# Altium PCB LASERDIODE.PcbDoc (part 1 of 3) (continued)
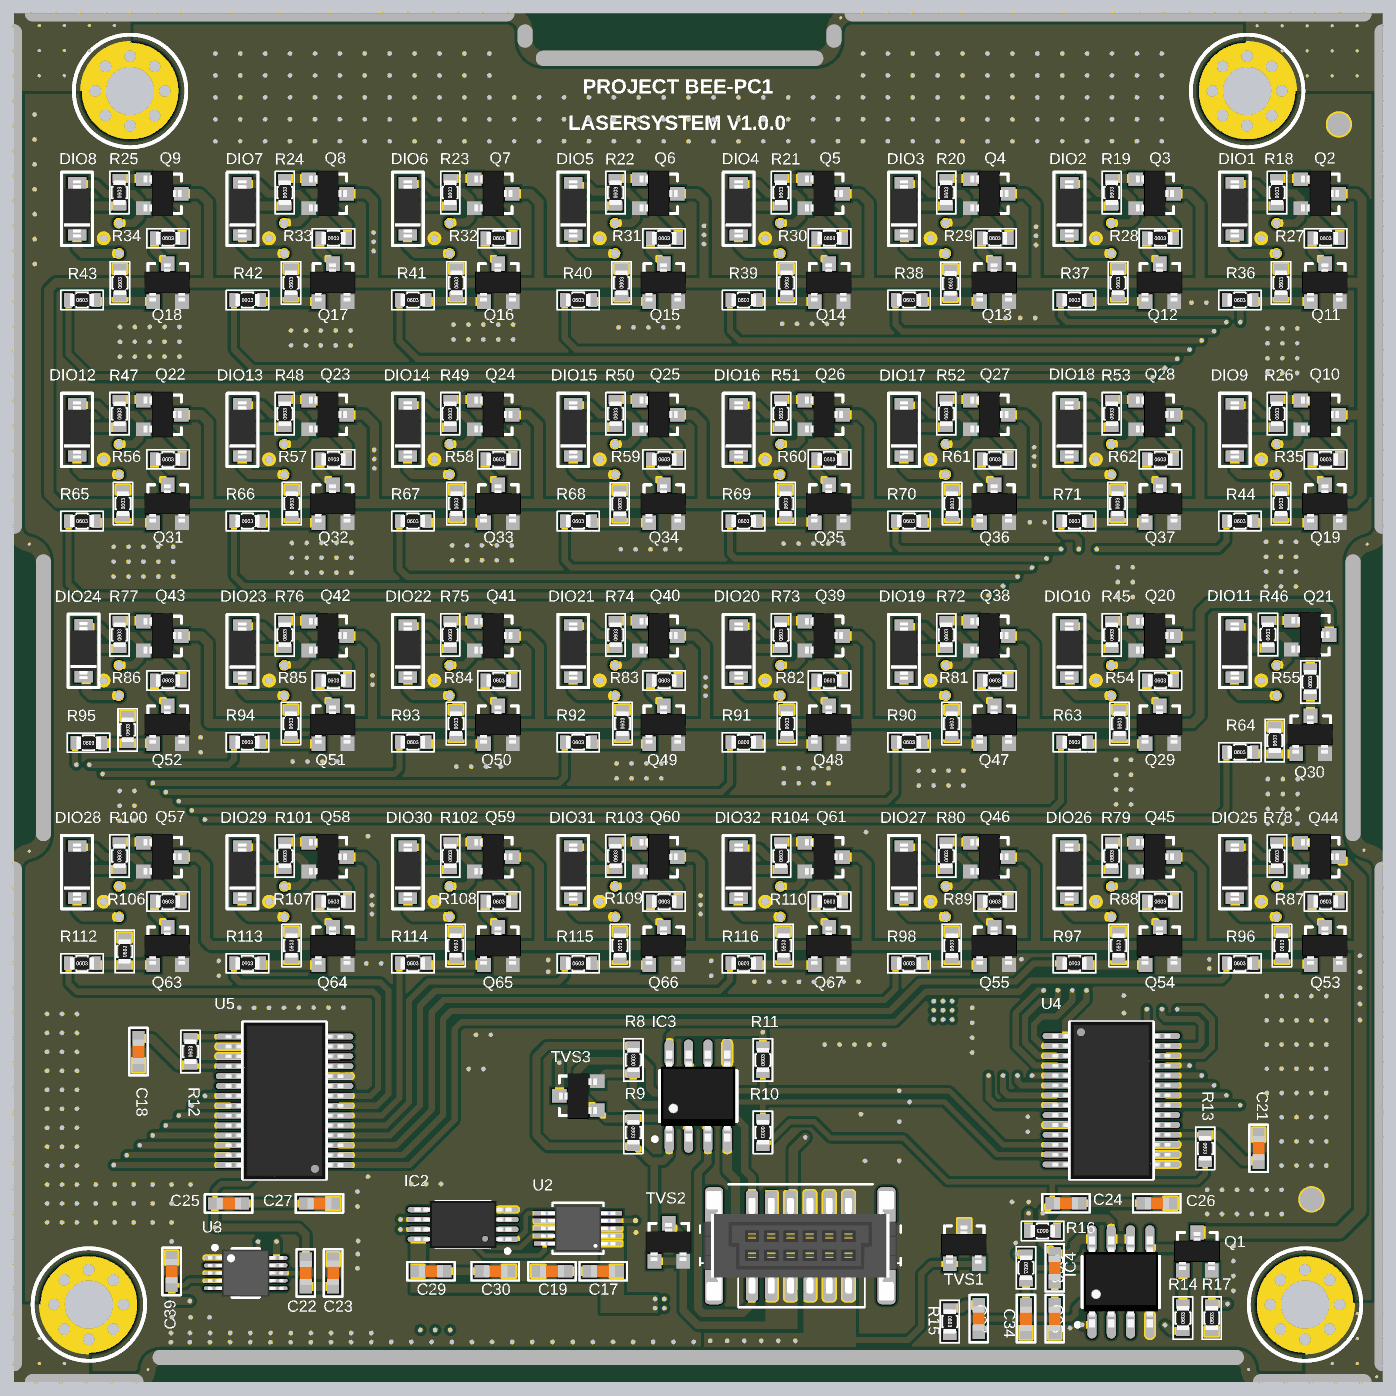
[diagram p7: 3D render of the assembled board from below, using the file's embedded part models]

## Layer stack, top to bottom
Top Solder: solder mask 0.012, Solder Resist, Dk 3.5
Top Layer: signal copper 0.04
Dielectric 2: prepreg 0.2, PP-022, Dk 4.5
Layer 1: signal copper 0.032
Dielectric 1: core 1.04, Core-042, Dk 4.6
Layer 2: signal copper 0.032
Dielectric 3: prepreg 0.2, PP-022, Dk 4.5
Bottom Layer: signal copper 0.04
Bottom Solder: solder mask 0.012, Solder Resist, Dk 3.5

## Board outline
-0.005,1.2 -0.005,33.709 -0.005,33.715 cw(c1.2,33.715) 0.991,34.902 0.993,34.902 ccw(c0.72,36.065) 1.915,36.065 1.915,53.935 ccw(c0.72,53.935) 0.992,55.098 0.99,55.098 cw(c1.199,56.285) -0.006,56.285 -0.005,56.288 -0.005,88.8 cw(c1.2,88.8) 1.2,90.005 34.87,90.005 cw(c34.87,88.8) 36.075,88.8 36.075,88.27 ccw(c37.27,88.27) 37.27,87.075 37.273,87.065 55.187,87.065 55.19,87.075 ccw(c55.19,88.27) 56.385,88.27 56.385,88.8 cw(c57.59,88.8) 57.59,90.005 88.8,90.005 cw(c88.8,88.8) 90.005,88.8 90.005,56.277 90.004,56.274 cw(c88.799,56.289) 89.077,55.116 89.073,55.111 ccw(c89.28,53.935) 88.085,53.935 88.085,36.065 ccw(c89.28,36.065) 89.073,34.889 89.076,34.886 cw(c88.799,33.713) 90.004,33.737 90.005,33.734 90.005,1.143 90.004,1.139 cw(c88.8,1.2) 88.8,-0.005 81.99,-0.005 81.989,-0.005 cw(c82,0.8) 81.195,0.8 ccw(c80.4,0.8) 80.4,1.595 9.6,1.595 ccw(c9.6,0.8) 8.805,0.8 cw(c8,0.8) 8.011,-0.005 8.01,-0.005 1.2,-0.005 cw(c1.2,1.2)

## Design rules (kind name [scope] priority, off if disabled: settings)
Clearance [NOT InNet('SHIELD') and NOT OnLayer('Keep-Out Layer')] p1: gap=0.2 ignorepadtopadclearanceinfootprint=FALSE
ComponentClearance [All] p1: gap=0.15 collisioncheckmode=3 verticalgap=0.15 showdistances=FALSE
HoleSize [All] p1: absolutevalues=TRUE maxlimit=8 minlimit=0.025 maxpercent=80.000 minpercent=20.000
HoleToHoleClearance [All] p1: gap=0.127 allowstackedmicrovias=TRUE
MinimumSolderMaskSliver [All] p1: minsoldermaskwidth=0
PolygonConnect [All] p1: connectstyle=Direct reliefconductorwidth=0.254 reliefentries=4 polygonreliefangle="90 Angle" airgapwidth=0.254
RoutingVias [All] p1: holewidth=0.711 width=1.27 viastyle="Through Hole" minholewidth=0.2 minwidth=0.4 maxholewidth=2 maxwidth=2.5
SilkToSilkClearance [All] p1: silktosilkclearance=0
SilkToSolderMaskClearance [IsPad] p1: minsilkscreentomaskgap=0 clearancetoexposedcopper=TRUE
SolderMaskExpansion [All] p1: expansion=0.102 istentingtop=FALSE
Width Width_1 [All] p1: maxlimit=2 minlimit=0.1 preferedwidth=0.6 midlayer1_minwidth=0.254 midlayer2_minwidth=0.254 minimp=50.000000 maximp=50.000000 favimp=50.000000
24 further rules are at their usual default settings.

## Classes and differential pairs
component class SWITCHING: D3 D4 D5 D6 D7 D8 D9 D10 D11 D12 D13 D14 D15 D16 D17 D18 D19 DIO1 DIO2 DIO3 DIO4 DIO5 DIO6 DIO7 DIO8 DIO9 DIO10 DIO11 DIO12 DIO13 DIO14 DIO15 DIO16 DIO17 DIO18 DIO19 DIO20 DIO21 DIO22 DIO23 DIO24 DIO25 DIO26 DIO27 DIO28 DIO29 DIO30 DIO31 DIO32 LD1 LD2 LD3 LD4 LD5 LD6 LD7 LD8 LD9 LD10 LD11 LD12 LD13 LD14 LD15 LD16 LD17 LD18 LD19 LD20 LD21 LD22 LD23 LD24 LD25 LD26 LD27 LD28 LD29 LD30 LD31 LD32 Q2 Q3 Q4 Q5 Q6 Q7 Q8 Q9 Q10 Q11 Q12 Q13 Q14 Q15 Q16 Q17 Q18 Q19 Q20 Q21 Q22 Q23 Q24 Q25 Q26 Q27 Q28 Q29 Q30 Q31 Q32 Q33 Q34 Q35 Q36 Q37 Q38 Q39 Q40 Q41 Q42 Q43 Q44 Q45 Q46 Q47 Q48 Q49 Q50 Q51 Q52 Q53 Q54 Q55 Q57 Q58 Q59 Q60 Q61 Q63 Q64 Q65 Q66 Q67 R18 R19 R20 R21 R22 R23 R24 R25 R26 R27 R28 R29 R30 R31 R32 R33 R34 R35 R36 R37 R38 R39 R40 R41 R42 R43 R44 R45 R46 R47 R48 R49 R50 R51 R52 R53 R54 R55 R56 R57 R58 R59 R60 R61 R62 R63 R64 R65 R66 R67 R68 R69 R70 R71 R72 R73 R74 R75 R76 R77 R78 R79 R80 R81 R82 R83 R84 R85 R86 R87 R88 R89 R90 R91 R92 R93 R94 R95 R96 R97 R98 R100 R101 R102 R103 R104 R105 R106 R107 R108 R109 R110 R111 R112 R113 R114 R115 R116 R117 R118 R119 R120 R121 R122 R123 R124 R125 R126 R127 R128 R129 R130 R131 R132 R133 R134 R135 R136 R137 R138 R139 R140 R141 R142 R143 R144 R145 R146
component class EFUSE_AND_REGULATOR: C1 C2 C3 C4 C5 C6 C7 C8 C9 C10 C11 C12 C13 C14 C15 D1 D2 IC1 L1 LED1 R1 R2 R3 R4 R5 R6 R7 U1
component class CURRENT_SOURCE: C33 C34 C35 C37 IC4 Q1 R14 R15 R16 R17 R99
component class COMMUNICATION: C17 C18 C19 C21 C22 C23 C24 C25 C26 C27 C28 C29 C30 H1 H2 H3 H4 IC2 IC3 LED R8 R9 R10 R11 R12 R13 TVS1 TVS2 TVS3 U2 U3 U4 U5

## Components (designator, comment, footprint, x,y, rotation, side; value= is the part's Value field where it differs from the comment)
C1 "1uF/25V" SM-0603 60.01,4.419 r0 top value=103
C2 "100uF/20V" "tu tantalum smd7343" 60.19,17.021 r0 top
C3 "2.2nF/25V" SM-0603 55.84,4.419 r0 top value=103
C4 "2.2nF/25V" SM-0603 54.94,7.609 r90 top value=103
C5 "0.01uF/25V" SM-0603 32.98,17.788 r270 top value=103
C6 "1uF/25V" SM-0603 44.25,17.808 r270 top value=103
C7 "10uF/25V" SM-0603 46.2,17.808 r270 top value=103
C8 "10uF/25V" SM-0603 42.026,4.77 r0 top value=103
C9 "1uF/25V" SM-0603 38.5,4.77 r0 top value=103
C10 "100uF/20V" "tu tantalum smd7343" 50.98,9.69 r270 top
C11 "470uF/6.3V" "tu tantalum smd7343" 30.58,5.54 r0 top
C12 "1uF/25V" SM-0603 44.25,13.578 r270 top value=103
C13 "10uF/25V" SM-0603 46.2,13.578 r270 top value=103
C14 "10uF/25V" SM-0603 42.026,6.88 r180 top value=103
C15 "1uF/25V" SM-0603 38.5,6.88 r180 top value=103
C17 "0.1uF/25V" SM-0603 51.25,7.27 r180 bottom value=103
C18 "0.1uF/25V" SM-0603 81.83,21.72 r90 bottom value=103
C19 "0.1uF/25V" SM-0603 54.62,7.27 r180 bottom value=103
C21 "0.1uF/25V" SM-0603 8.13,15.356 r270 bottom value=103
C22 "0.1uF/25V" SM-0603 70.82,7.163 r90 bottom value=103
C23 "0.1uF/25V" SM-0603 69.02,7.163 r270 bottom value=103
C24 "0.1uF/25V" SM-0603 20.806,11.74 r0 bottom value=103
C25 "0.1uF/25V" SM-0603 75.896,11.73 r0 bottom value=103
C26 "0.1uF/25V" SM-0603 14.83,11.74 r0 bottom value=103
C27 "0.1uF/25V" SM-0603 69.92,11.73 r0 bottom value=103
C28 "JP6x2" M55-6001242R 38.288,8.948 r180 bottom locked
C29 "0.1uF/25V" SM-0603 62.583,7.27 r0 bottom value=103
C30 "0.1uF/25V" SM-0603 58.357,7.27 r0 bottom value=103
C33 "0.1uF/25V" SM-0603 21.55,7.5 r90 bottom value=103
C34 "47pF/25V" SM-0603 23.44,4.151 r90 bottom value=103
C35 "0.1uF/25V" SM-0603 21.55,4.151 r90 bottom value=103
C37 "10uF/25V" SM-0603 26.55,4.151 r270 bottom value=103
C39 "47pF/25V" SM-0603 79.644,7.263 r270 bottom value=103
D1 "SS54" DIO-SMD-A 57.912,11.92 r0 top value=1N5007
D2 "SS54" DIO-SMD-A 38.286,18.056 r180 top value=1N5007
DIO1 "Diode SMD" SOD23 9.7,78.817 r270 bottom value=1N5007
DIO2 "Diode SMD" SOD23 20.581,78.817 r270 bottom value=1N5007
DIO3 "Diode SMD" SOD23 31.463,78.817 r270 bottom value=1N5007
DIO4 "Diode SMD" SOD23 42.344,78.817 r270 bottom value=1N5007
DIO5 "Diode SMD" SOD23 53.226,78.817 r270 bottom value=1N5007
DIO6 "Diode SMD" SOD23 64.107,78.817 r270 bottom value=1N5007
DIO7 "Diode SMD" SOD23 74.989,78.817 r270 bottom value=1N5007
DIO8 "Diode SMD" SOD23 85.87,78.817 r270 bottom value=1N5007
DIO9 "Diode SMD" SOD23 9.7,64.27 r270 bottom value=1N5007
DIO10 "Diode SMD" SOD23 20.581,49.724 r270 bottom value=1N5007
DIO11 "Diode SMD" SOD23 9.7,49.724 r270 bottom value=1N5007
DIO12 "Diode SMD" SOD23 85.87,64.27 r270 bottom value=1N5007
DIO13 "Diode SMD" SOD23 74.989,64.27 r270 bottom value=1N5007
DIO14 "Diode SMD" SOD23 64.107,64.27 r270 bottom value=1N5007
DIO15 "Diode SMD" SOD23 53.226,64.27 r270 bottom value=1N5007
DIO16 "Diode SMD" SOD23 42.344,64.27 r270 bottom value=1N5007
DIO17 "Diode SMD" SOD23 31.463,64.27 r270 bottom value=1N5007
DIO18 "Diode SMD" SOD23 20.581,64.27 r270 bottom value=1N5007
DIO19 "Diode SMD" SOD23 31.463,49.724 r270 bottom value=1N5007
DIO20 "Diode SMD" SOD23 42.344,49.724 r270 bottom value=1N5007
DIO21 "Diode SMD" SOD23 53.226,49.724 r270 bottom value=1N5007
DIO22 "Diode SMD" SOD23 64.107,49.724 r270 bottom value=1N5007
DIO23 "Diode SMD" SOD23 74.989,49.724 r270 bottom value=1N5007
DIO24 "Diode SMD" SOD23 85.44,49.746 r270 bottom value=1N5007
DIO25 "Diode SMD" SOD23 9.7,35.177 r270 bottom value=1N5007
DIO26 "Diode SMD" SOD23 20.581,35.177 r270 bottom value=1N5007
DIO27 "Diode SMD" SOD23 31.463,35.177 r270 bottom value=1N5007
DIO28 "Diode SMD" SOD23 85.87,35.177 r270 bottom value=1N5007
DIO29 "Diode SMD" SOD23 74.989,35.177 r270 bottom value=1N5007
DIO30 "Diode SMD" SOD23 64.107,35.177 r270 bottom value=1N5007
DIO31 "Diode SMD" SOD23 53.226,35.177 r270 bottom value=1N5007
DIO32 "Diode SMD" SOD23 42.344,35.177 r270 bottom value=1N5007
H1 "M3" M3 8.89,84.92 r0 top
H2 "M3" M3 82.38,84.92 r0 top
H3 "M3" M3 85.09,5.08 r0 top
H4 "M3" M3 5.08,5.08 r0 top
IC1 "TPS259470LRPWR" TPS259470 61.96,7.8 r180 top
IC2 "PCA9536DGKR" TSSOP8 60.47,10.35 r0 bottom
IC3 "ADUM1250ARZ" SO8 45,18.79 r90 bottom
IC4 "OPA2340UA" SO8 17.19,6.57 r90 bottom value=LM358
L1 "15uH/3.5A" SRP7050TA 27.88,14.738 r270 top
LD1 "LaserDiode" LASER 6.956,75.228 r180 top
LD2 "LaserDiode" LASER 17.836,75.228 r180 top
LD3 "LaserDiode" LASER 28.716,75.228 r180 top
LD4 "LaserDiode" LASER 39.596,75.228 r180 top
LD5 "LaserDiode" LASER 50.476,75.228 r180 top
LD6 "LaserDiode" LASER 61.356,75.228 r180 top
LD7 "LaserDiode" LASER 72.236,75.228 r180 top
LD8 "LaserDiode" LASER 83.116,75.228 r180 top
LD9 "LaserDiode" LASER 6.956,60.681 r180 top
LD10 "LaserDiode" LASER 17.836,60.681 r180 top
LD11 "LaserDiode" LASER 28.716,60.681 r180 top
LD12 "LaserDiode" LASER 39.596,60.681 r180 top
LD13 "LaserDiode" LASER 50.476,60.681 r180 top
LD14 "LaserDiode" LASER 61.356,60.681 r180 top
LD15 "LaserDiode" LASER 72.236,60.681 r180 top
LD16 "LaserDiode" LASER 83.116,60.681 r180 top
LD17 "LaserDiode" LASER 6.956,46.135 r180 top
LD18 "LaserDiode" LASER 17.836,46.135 r180 top
LD19 "LaserDiode" LASER 28.716,46.135 r180 top
LD20 "LaserDiode" LASER 39.596,46.135 r180 top
LD21 "LaserDiode" LASER 50.476,46.135 r180 top
LD22 "LaserDiode" LASER 61.356,46.135 r180 top
LD23 "LaserDiode" LASER 72.236,46.135 r180 top
LD24 "LaserDiode" LASER 83.116,46.135 r180 top
LD25 "LaserDiode" LASER 6.956,31.588 r180 top
LD26 "LaserDiode" LASER 17.836,31.588 r180 top
LD27 "LaserDiode" LASER 28.716,31.588 r180 top
LD28 "LaserDiode" LASER 39.596,31.588 r180 top
LD29 "LaserDiode" LASER 50.476,31.588 r180 top
LD30 "LaserDiode" LASER 61.356,31.588 r180 top
LD31 "LaserDiode" LASER 72.236,31.588 r180 top
LD32 "LaserDiode" LASER 83.116,31.588 r180 top
LED1 "LED" REDLED_0603 45.612,4.821 r0 top value="LED 3 - 5 ly 2 Colour"
Q1 "AO3400" SOT23-132 12.166,8.57 r180 bottom
Q2 "AO3401" SOT23-123 4.1,78.155 r270 bottom
Q3 "AO3401" SOT23-123 14.98,78.155 r270 bottom
Q4 "AO3401" SOT23-123 25.86,78.155 r270 bottom
Q5 "AO3401" SOT23-123 36.74,78.155 r270 bottom
Q6 "AO3401" SOT23-123 47.62,78.155 r270 bottom
Q7 "AO3401" SOT23-123 58.5,78.155 r270 bottom
Q8 "AO3401" SOT23-123 69.38,78.155 r270 bottom
Q9 "AO3401" SOT23-123 80.26,78.155 r270 bottom
Q10 "AO3401" SOT23-123 4.1,63.608 r270 bottom
Q11 "MMBT2222A" SOT23-132 3.749,72.309 r180 bottom value=C1815
Q12 "MMBT2222A" SOT23-132 14.629,72.309 r180 bottom value=C1815
Q13 "MMBT2222A" SOT23-132 25.509,72.309 r180 bottom value=C1815
Q14 "MMBT2222A" SOT23-132 36.389,72.309 r180 bottom value=C1815
Q15 "MMBT2222A" SOT23-132 47.269,72.309 r180 bottom value=C1815
Q16 "MMBT2222A" SOT23-132 58.149,72.309 r180 bottom value=C1815
Q17 "MMBT2222A" SOT23-132 69.029,72.309 r180 bottom value=C1815
Q18 "MMBT2222A" SOT23-132 79.909,72.309 r180 bottom value=C1815
Q19 "MMBT2222A" SOT23-132 3.749,57.762 r180 bottom value=C1815
Q20 "AO3401" SOT23-123 14.98,49.062 r270 bottom
Q21 "AO3401" SOT23-123 4.74,49.126 r270 bottom
Q22 "AO3401" SOT23-123 80.26,63.608 r270 bottom
Q23 "AO3401" SOT23-123 69.38,63.608 r270 bottom
Q24 "AO3401" SOT23-123 58.5,63.608 r270 bottom
Q25 "AO3401" SOT23-123 47.62,63.608 r270 bottom
Q26 "AO3401" SOT23-123 36.74,63.608 r270 bottom
Q27 "AO3401" SOT23-123 25.86,63.608 r270 bottom
Q28 "AO3401" SOT23-123 14.98,63.608 r270 bottom
Q29 "MMBT2222A" SOT23-132 14.629,43.216 r180 bottom value=C1815
Q30 "MMBT2222A" SOT23-132 4.716,42.56 r180 bottom value=C1815
Q31 "MMBT2222A" SOT23-132 79.909,57.762 r180 bottom value=C1815
Q32 "MMBT2222A" SOT23-132 69.029,57.762 r180 bottom value=C1815
Q33 "MMBT2222A" SOT23-132 58.149,57.762 r180 bottom value=C1815
Q34 "MMBT2222A" SOT23-132 47.269,57.762 r180 bottom value=C1815
Q35 "MMBT2222A" SOT23-132 36.389,57.762 r180 bottom value=C1815
Q36 "MMBT2222A" SOT23-132 25.509,57.762 r180 bottom value=C1815
Q37 "MMBT2222A" SOT23-132 14.629,57.762 r180 bottom value=C1815
Q38 "AO3401" SOT23-123 25.86,49.062 r270 bottom
Q39 "AO3401" SOT23-123 36.74,49.062 r270 bottom
Q40 "AO3401" SOT23-123 47.62,49.062 r270 bottom
Q41 "AO3401" SOT23-123 58.5,49.062 r270 bottom
Q42 "AO3401" SOT23-123 69.38,49.062 r270 bottom
Q43 "AO3401" SOT23-123 80.26,49.062 r270 bottom
Q44 "AO3401" SOT23-123 4.1,34.515 r270 bottom
Q45 "AO3401" SOT23-123 14.98,34.515 r270 bottom
Q46 "AO3401" SOT23-123 25.86,34.515 r270 bottom
Q47 "MMBT2222A" SOT23-132 25.509,43.216 r180 bottom value=C1815
Q48 "MMBT2222A" SOT23-132 36.389,43.216 r180 bottom value=C1815
Q49 "MMBT2222A" SOT23-132 47.269,43.216 r180 bottom value=C1815
Q50 "MMBT2222A" SOT23-132 58.149,43.216 r180 bottom value=C1815
Q51 "MMBT2222A" SOT23-132 69.029,43.216 r180 bottom value=C1815
Q52 "MMBT2222A" SOT23-132 79.909,43.216 r180 bottom value=C1815
Q53 "MMBT2222A" SOT23-132 3.749,28.669 r180 bottom value=C1815
Q54 "MMBT2222A" SOT23-132 14.629,28.669 r180 bottom value=C1815
Q55 "MMBT2222A" SOT23-132 25.509,28.669 r180 bottom value=C1815
Q57 "AO3401" SOT23-123 80.26,34.515 r270 bottom
Q58 "AO3401" SOT23-123 69.38,34.515 r270 bottom
Q59 "AO3401" SOT23-123 58.5,34.515 r270 bottom
Q60 "AO3401" SOT23-123 47.62,34.515 r270 bottom
Q61 "AO3401" SOT23-123 36.74,34.515 r270 bottom
Q63 "MMBT2222A" SOT23-132 79.909,28.669 r180 bottom value=C1815
Q64 "MMBT2222A" SOT23-132 69.029,28.669 r180 bottom value=C1815
Q65 "MMBT2222A" SOT23-132 58.149,28.669 r180 bottom value=C1815
Q66 "MMBT2222A" SOT23-132 47.269,28.669 r180 bottom value=C1815
Q67 "MMBT2222A" SOT23-132 36.389,28.669 r180 bottom value=C1815
R1 "470K 1%" RES-SMD-0603 64.568,4.42 r180 top
R2 "11K 1%" RES-SMD-0603 65.647,7.81 r270 top
R3 "47K 1%" RES-SMD-0603 65.647,12.057 r270 top
R4 "549R 1%" RES-SMD-0603 58.09,7.8 r270 top
R5 "10K 1%" RES-SMD-0603 32.98,14.652 r90 top
R6 "1K 1%" RES-SMD-0603 45.4,6.881 r180 top
R7 "3.24K 0.1%" RES-SMD-0603 32.98,11.708 r90 top
R8 "10K 1%" RES-SMD-0603 49.27,21.17 r90 bottom
R9 "10K 1%" RES-SMD-0603 49.27,16.41 r270 bottom
R10 "10K 1%" RES-SMD-0603 40.75,16.41 r270 bottom
R11 "10K 1%" RES-SMD-0603 40.75,21.17 r90 bottom
R12 "10K 1%" RES-SMD-0603 78.41,21.72 r90 bottom
R13 "10K 1%" RES-SMD-0603 11.64,15.356 r270 bottom
R14 "100R 1%" RES-SMD-0603 13.116,4.19 r90 bottom
R15 "1K 1%" RES-SMD-0603 28.45,3.96 r270 bottom
R16 "50R 1%" RES-SMD-0603 22.339,9.92 r0 bottom
R17 "100R 1%" RES-SMD-0603 11.216,4.19 r90 bottom
R18 "10K 1%" RES-SMD-0603 6.92,78.232 r90 bottom
R19 "10K 1%" RES-SMD-0603 17.8,78.232 r90 bottom
R20 "10K 1%" RES-SMD-0603 28.68,78.232 r90 bottom
R21 "10K 1%" RES-SMD-0603 39.56,78.232 r90 bottom
R22 "10K 1%" RES-SMD-0603 50.44,78.232 r90 bottom
R23 "10K 1%" RES-SMD-0603 61.32,78.232 r90 bottom
R24 "10K 1%" RES-SMD-0603 72.2,78.232 r90 bottom
R25 "10K 1%" RES-SMD-0603 83.08,78.232 r90 bottom
R26 "10K 1%" RES-SMD-0603 6.92,63.685 r90 bottom
R27 "10K 1%" RES-SMD-0603 3.72,75.232 r180 bottom
R28 "10K 1%" RES-SMD-0603 14.6,75.232 r180 bottom
R29 "10K 1%" RES-SMD-0603 25.48,75.232 r180 bottom
R30 "10K 1%" RES-SMD-0603 36.36,75.232 r180 bottom
R31 "10K 1%" RES-SMD-0603 47.24,75.232 r180 bottom
R32 "10K 1%" RES-SMD-0603 58.12,75.232 r180 bottom
R33 "10K 1%" RES-SMD-0603 69,75.232 r180 bottom
R34 "10K 1%" RES-SMD-0603 79.88,75.232 r180 bottom
R35 "10K 1%" RES-SMD-0603 3.72,60.685 r180 bottom
R36 "1K 1%" RES-SMD-0603 9.369,71.167 r180 bottom
R37 "1K 1%" RES-SMD-0603 20.25,71.167 r180 bottom
R38 "1K 1%" RES-SMD-0603 31.132,71.167 r180 bottom
R39 "1K 1%" RES-SMD-0603 42.013,71.167 r180 bottom
R40 "1K 1%" RES-SMD-0603 52.895,71.167 r180 bottom
R41 "1K 1%" RES-SMD-0603 63.776,71.167 r180 bottom
R42 "1K 1%" RES-SMD-0603 74.657,71.167 r180 bottom
R43 "1K 1%" RES-SMD-0603 85.539,71.167 r180 bottom
R44 "1K 1%" RES-SMD-0603 9.369,56.621 r180 bottom
R45 "10K 1%" RES-SMD-0603 17.8,49.139 r90 bottom
R46 "10K 1%" RES-SMD-0603 7.52,49.15 r90 bottom
R47 "10K 1%" RES-SMD-0603 83.08,63.685 r90 bottom
R48 "10K 1%" RES-SMD-0603 72.2,63.685 r90 bottom
R49 "10K 1%" RES-SMD-0603 61.32,63.685 r90 bottom
R50 "10K 1%" RES-SMD-0603 50.44,63.685 r90 bottom
R51 "10K 1%" RES-SMD-0603 39.56,63.685 r90 bottom
R52 "10K 1%" RES-SMD-0603 28.68,63.685 r90 bottom
R53 "10K 1%" RES-SMD-0603 17.8,63.685 r90 bottom
R54 "10K 1%" RES-SMD-0603 14.6,46.139 r180 bottom
R55 "10K 1%" RES-SMD-0603 4.74,46.04 r90 bottom
R56 "10K 1%" RES-SMD-0603 79.88,60.685 r180 bottom
R57 "10K 1%" RES-SMD-0603 69,60.685 r180 bottom
R58 "10K 1%" RES-SMD-0603 58.12,60.685 r180 bottom
R59 "10K 1%" RES-SMD-0603 47.24,60.685 r180 bottom
R60 "10K 1%" RES-SMD-0603 36.36,60.685 r180 bottom
R61 "10K 1%" RES-SMD-0603 25.48,60.685 r180 bottom
R62 "10K 1%" RES-SMD-0603 14.6,60.685 r180 bottom
R63 "1K 1%" RES-SMD-0603 20.25,42.074 r180 bottom
R64 "1K 1%" RES-SMD-0603 9.369,41.418 r180 bottom
R65 "1K 1%" RES-SMD-0603 85.539,56.621 r180 bottom
R66 "1K 1%" RES-SMD-0603 74.657,56.621 r180 bottom
R67 "1K 1%" RES-SMD-0603 63.776,56.621 r180 bottom
R68 "1K 1%" RES-SMD-0603 52.895,56.621 r180 bottom
R69 "1K 1%" RES-SMD-0603 42.013,56.621 r180 bottom
R70 "1K 1%" RES-SMD-0603 31.132,56.621 r180 bottom
R71 "1K 1%" RES-SMD-0603 20.25,56.621 r180 bottom
R72 "10K 1%" RES-SMD-0603 28.68,49.139 r90 bottom
R73 "10K 1%" RES-SMD-0603 39.56,49.139 r90 bottom
R74 "10K 1%" RES-SMD-0603 50.44,49.139 r90 bottom
R75 "10K 1%" RES-SMD-0603 61.32,49.139 r90 bottom
R76 "10K 1%" RES-SMD-0603 72.2,49.139 r90 bottom
R77 "10K 1%" RES-SMD-0603 83.08,49.139 r90 bottom
R78 "10K 1%" RES-SMD-0603 6.92,34.592 r90 bottom
R79 "10K 1%" RES-SMD-0603 17.8,34.592 r90 bottom
R80 "10K 1%" RES-SMD-0603 28.68,34.592 r90 bottom
R81 "10K 1%" RES-SMD-0603 25.48,46.139 r180 bottom
R82 "10K 1%" RES-SMD-0603 36.36,46.139 r180 bottom
R83 "10K 1%" RES-SMD-0603 47.24,46.139 r180 bottom
R84 "10K 1%" RES-SMD-0603 58.12,46.139 r180 bottom
R85 "10K 1%" RES-SMD-0603 69,46.139 r180 bottom
R86 "10K 1%" RES-SMD-0603 79.88,46.139 r180 bottom
R87 "10K 1%" RES-SMD-0603 3.72,31.592 r180 bottom
R88 "10K 1%" RES-SMD-0603 14.6,31.592 r180 bottom
R89 "10K 1%" RES-SMD-0603 25.48,31.592 r180 bottom
R90 "1K 1%" RES-SMD-0603 31.132,42.074 r180 bottom
R91 "1K 1%" RES-SMD-0603 42.013,42.074 r180 bottom
R92 "1K 1%" RES-SMD-0603 52.895,42.074 r180 bottom
R93 "1K 1%" RES-SMD-0603 63.776,42.074 r180 bottom
R94 "1K 1%" RES-SMD-0603 74.657,42.074 r180 bottom
R95 "1K 1%" RES-SMD-0603 85.109,42.04 r180 bottom
R96 "1K 1%" RES-SMD-0603 9.369,27.527 r180 bottom
R97 "1K 1%" RES-SMD-0603 20.25,27.527 r180 bottom
R98 "1K 1%" RES-SMD-0603 31.132,27.527 r180 bottom
R99 "50R 1%" RES-SMD-0603 23.44,7.5 r270 bottom
R100 "10K 1%" RES-SMD-0603 83.08,34.592 r90 bottom
R101 "10K 1%" RES-SMD-0603 72.2,34.592 r90 bottom
R102 "10K 1%" RES-SMD-0603 61.32,34.592 r90 bottom
R103 "10K 1%" RES-SMD-0603 50.44,34.592 r90 bottom
R104 "10K 1%" RES-SMD-0603 39.56,34.592 r90 bottom
R105 "10K 1%" RES-SMD-0603 6.66,72.3 r90 bottom
R106 "10K 1%" RES-SMD-0603 79.88,31.592 r180 bottom
R107 "10K 1%" RES-SMD-0603 69,31.592 r180 bottom
R108 "10K 1%" RES-SMD-0603 58.12,31.592 r180 bottom
R109 "10K 1%" RES-SMD-0603 47.24,31.592 r180 bottom
R110 "10K 1%" RES-SMD-0603 36.36,31.592 r180 bottom
R111 "10K 1%" RES-SMD-0603 17.375,72.3 r90 bottom
R112 "1K 1%" RES-SMD-0603 85.539,27.527 r180 bottom
R113 "1K 1%" RES-SMD-0603 74.657,27.527 r180 bottom
R114 "1K 1%" RES-SMD-0603 63.776,27.527 r180 bottom
R115 "1K 1%" RES-SMD-0603 52.895,27.527 r180 bottom
R116 "1K 1%" RES-SMD-0603 42.013,27.527 r180 bottom
R117 "10K 1%" RES-SMD-0603 28.4,72.263 r90 bottom
R118 "10K 1%" RES-SMD-0603 39.185,72.3 r90 bottom
R119 "10K 1%" RES-SMD-0603 50.045,72.3 r90 bottom
R120 "10K 1%" RES-SMD-0603 60.915,72.3 r90 bottom
R121 "10K 1%" RES-SMD-0603 71.79,72.3 r90 bottom
R122 "10K 1%" RES-SMD-0603 83.05,72.3 r90 bottom
R123 "10K 1%" RES-SMD-0603 6.66,57.77 r90 bottom
R124 "10K 1%" RES-SMD-0603 17.28,43.3 r90 bottom
R125 "10K 1%" RES-SMD-0603 7.07,42.18 r90 bottom
R126 "10K 1%" RES-SMD-0603 82.84,57.77 r90 bottom
R127 "10K 1%" RES-SMD-0603 71.74,57.77 r90 bottom
R128 "10K 1%" RES-SMD-0603 60.915,57.77 r90 bottom
R129 "10K 1%" RES-SMD-0603 50.16,57.753 r90 bottom
R130 "10K 1%" RES-SMD-0603 39.25,57.77 r90 bottom
R131 "10K 1%" RES-SMD-0603 28.295,57.77 r90 bottom
R132 "10K 1%" RES-SMD-0603 17.415,57.77 r90 bottom
R133 "10K 1%" RES-SMD-0603 28.33,43.3 r90 bottom
R134 "10K 1%" RES-SMD-0603 39.16,43.3 r90 bottom
R135 "10K 1%" RES-SMD-0603 49.985,43.3 r90 bottom
R136 "10K 1%" RES-SMD-0603 60.935,43.3 r90 bottom
R137 "10K 1%" RES-SMD-0603 71.795,43.3 r90 bottom
R138 "10K 1%" RES-SMD-0603 82.539,42.892 r90 bottom
R139 "10K 1%" RES-SMD-0603 6.598,28.7 r90 bottom
R140 "10K 1%" RES-SMD-0603 17.345,28.7 r90 bottom
R141 "10K 1%" RES-SMD-0603 28.32,28.693 r90 bottom
R142 "10K 1%" RES-SMD-0603 82.736,28.308 r90 bottom
R143 "10K 1%" RES-SMD-0603 71.759,28.7 r90 bottom
R144 "10K 1%" RES-SMD-0603 60.96,28.7 r90 bottom
R145 "10K 1%" RES-SMD-0603 50.155,28.7 r90 bottom
R146 "10K 1%" RES-SMD-0603 39.385,28.7 r90 bottom
TVS1 "S2312" SOT23-123 27.5,9 r180 bottom
TVS2 "S2305" SOT23-123 46.932,9.167 r180 bottom
TVS3 "S2305" SOT23-123 52.89,18.814 r90 bottom
U1 "TPS5430DDAR" HSOP8 38.35,13.268 r0 top
U2 "MCP47CVB22-E/UN" MSOP10 52.91,10.09 r0 bottom
U3 "ADS1015BQDGSRQ1" TSSOP10 74.77,7.15 r180 bottom
U4 "MCP23017T-E/SS" SSOP28 17.818,18.52 r180 bottom
U5 "MCP23017T-E/SS" SSOP28 72.218,18.483 r0 bottom

## Footprints (in the part's own frame and the unit in brackets; to place one, negate y for a bottom-side part, rotate by r counter-clockwise, add the part's x,y. Pads: shape width x height; smd on the part's side, far side on the other; paste and mask are expansions set on the pad)
DIO-SMD-A [mil]
  rect 90x90.55 smd: 1(75,5) 2(-85,5)
  silkscreen extent -135,-50 130,60, body extent -104,-45 101,57, height 95
HSOP8 [mm] "SOIC, 8-Leads, Body 4.9x3.9mm, Pitch 1.27mm, IPC High Density"
  oval 1.8x0.6 smd: 1(-2.825,1.905) 2(-2.825,0.635) 3(-2.825,-0.635) 4(-2.825,-1.905) 5(2.825,-1.905) 6(2.825,-0.635) 7(2.825,0.635) 8(2.825,1.905)
  rect 2.3x2.8 smd: 9(0,0)
  silkscreen extent -2.95,-2.55 1.68,2.98, body extent -2.99,-2.45 3,2.45, height 1.6
LASER [mm]
  round 0.7 hole 0.55 mask+0.102: 1(0,1) 3(0,-1)
  round 0.7 hole 0.5: 2(-1,0)
  body extent -2.76,-2.78 2.8,2.77, height 3.7
M3 [mil]
  round 60 hole 30: 1(-90,0) 1(-63.64,-63.64) 1(-63.64,63.64) 1(0,-90) 1(0,90) 1(63.64,-63.64) 1(63.64,63.64) 1(90,0)
  round 250 hole 125.2: 1(0,0)
  silkscreen extent -146,-146 146,146
M55-6001242R [mm]
  rrect50% 0.8x2.6 smd: 1(-3.175,2.335) 2(-1.905,2.335) 3(-0.635,2.335) 4(0.635,2.335) 5(1.905,2.335) 6(3.175,2.335) 7(3.175,-2.335) 8(1.905,-2.335) 9(0.635,-2.335) 10(-0.635,-2.335) 11(-1.905,-2.335) 12(-3.175,-2.335)
  rrect50% 1.2x2.5 smd: ""(-5.67,-2.6) ""(-5.67,2.6) ""(5.67,-2.6) ""(5.67,2.6)
  oval 0.95x1.7 hole 0.95 slot 1.7 at 90 deg unplated mask+0.102: ""(-5.35,0)
  round 1.6 hole 1.6 unplated: ""(5.35,0)
  silkscreen extent -6.59,-4.05 6.61,4.05, body extent -6.35,-3.6 6.35,3.6, height 6.2
MSOP10 [mil]
  rect 55x11 smd: 1(-86,39.4) 2(-86,19.7) 3(-86,0) 4(-86,-19.7) 5(-86,-39.4) 6(86,-39.4) 7(86,-19.7) 8(86,0) 9(86,19.7) 10(86,39.4)
  silkscreen extent -66,-66 66,66, body extent -96,-59 96,59, height 43
REDLED_0603 [mm]
  rect 0.4x0.85 smd: 1(-0.8,0) 2(0.8,0)
  silkscreen extent -1.21,-0.6 1.21,0.61, body extent -0.8,-0.4 0.8,0.4, height 0.8
RES-SMD-0603 [mm]
  rect 0.6x0.9 smd: 1(-0.889,0) 2(0.927,0)
  silkscreen extent -1.4,-0.64 1.4,0.64, body extent -0.8,-0.4 0.8,0.4, height 0.43
SM-0603 [mm]
  rect 0.9x0.8 smd: 1(-0.9,0) 2(0.9,0)
  silkscreen extent -1.56,-0.61 1.56,0.61, body extent -0.81,-0.4 0.79,0.4, height 0.5
SO8 [mm] "SOIC, 8-Leads, Body 4.9x3.9mm, Pitch 1.27mm, IPC High Density"
  oval 1.8x0.6 smd: 1(-2.825,1.905) 2(-2.825,0.635) 3(-2.825,-0.635) 4(-2.825,-1.905) 5(2.825,-1.905) 6(2.825,-0.635) 7(2.825,0.635) 8(2.825,1.905)
  silkscreen extent -2.95,-2.55 1.68,2.98, body extent -2.99,-2.45 3,2.45, height 1.6
SOD23 [mm]
  rect 0.91x1.22 smd: 1(0.016,0) 2(3.286,0)
  silkscreen extent -0.76,-1.02 4.06,1.02, body extent -0.22,-0.85 3.53,0.85, height 1.2
SOT23-123 [mm] "SOT23, 1=bottom-left, 2=top, 3=bottom-right"
  rect 0.9x0.95 smd: 1(-0.95,-1.25) 2(0,1.25)
  rect 0.9x0.95 smd mask+0: 3(0.95,-1.25)
  silkscreen extent -1.3,-0.38 1.3,1.25, body extent -1.52,-1.23 1.48,1.27, height 1.06
SOT23-132 [mm]
  rect 0.9x0.95 smd: 1(-0.95,-1.25) 3(0,1.25)
  rect 0.9x0.95 smd mask+0: 2(0.95,-1.25)
  silkscreen extent -1.3,-0.38 1.3,1.25, body extent -1.52,-1.23 1.48,1.27, height 1.06
SRP7050TA [mm] "Precision Wire Wound Inductor, 2-Leads, Body 7.30x6.60mm, IPC Medium Density"
  rect 3.3x3.15 smd: 1(-2.75,0) 2(2.75,0)
  silkscreen extent -3.8,-3.45 3.8,3.45, body extent -3.6,-3.3 3.6,3.3, height 4.91
SSOP28 [mm]
  oval 1.85x0.38 smd: 1(-3.6,4.225) 2(-3.6,3.575) 3(-3.6,2.925) 4(-3.6,2.275) 5(-3.6,1.625) 6(-3.6,0.975) 7(-3.6,0.325) 8(-3.6,-0.325) 9(-3.6,-0.975) 10(-3.6,-1.625) 11(-3.6,-2.275) 12(-3.6,-2.925) 13(-3.6,-3.575) 14(-3.6,-4.225) 15(3.6,-4.225) 16(3.6,-3.575) 17(3.6,-2.925) 18(3.6,-2.275) 19(3.6,-1.625) 20(3.6,-0.975) 21(3.6,-0.325) 22(3.6,0.325) 23(3.6,0.975) 24(3.6,1.625) 25(3.6,2.275) 26(3.6,2.925) 27(3.6,3.575) 28(3.6,4.225)
  silkscreen extent -2.73,-5.16 2.73,5.13, body extent -3.88,-5.17 3.88,5.17, height 2.15
TPS259470 [mm]
  rrect37% 0.6x0.3 smd paste-1 mask+0: 1(-0.9,0.7) 4(-0.9,-0.7) 7(0.9,-0.7) 10(0.9,0.7)
  rrect37% 0.6x0.25 smd mask+0: 2(-0.9,0.225) 3(-0.9,-0.225) 8(0.9,-0.225) 9(0.9,0.225)
  rrect37% 0.3x2.4 smd paste-2 mask+0: 5(-0.25,0) 6(0.25,0)
  Top Layer region: 157 vertices and 0 holes, not listed, extent 0.6,-1.2 1.2,-0.55
  Top Layer region: 157 vertices and 0 holes, not listed, extent 0.6,0.55 1.2,1.2
  Top Layer region: 157 vertices and 0 holes, not listed, extent -1.2,0.55 -0.6,1.2
  Top Layer region: 157 vertices and 0 holes, not listed, extent -1.2,-1.2 -0.6,-0.55
  silkscreen extent -2,0.6 -1.8,0.8, body extent -1,-1 1,1, height 1
TSSOP8 [mm] "TSSOP, 8-Leads, Body 3.00x4.40mm, Pitch 0.65mm, IPC Medium Density"
  oval 1.45x0.35 smd: 1(-2.925,0.975) 2(-2.925,0.325) 3(-2.925,-0.325) 4(-2.925,-0.975) 5(2.925,-0.975) 6(2.925,-0.325) 7(2.925,0.325) 8(2.925,0.975)
  silkscreen extent -3.05,-1.5 1.8,1.87, body extent -3.2,-1.55 3.2,1.55, height 1.2
TSSOP10 [mm] "TSSOP, 10-Leads, Body 3x3mm, Pitch 0.5mm, IPC High Density"
  oval 1.45x0.25 smd: 1(-2.025,1) 2(-2.025,0.5) 3(-2.025,0) 4(-2.025,-0.5) 5(-2.025,-1) 6(2.025,-1) 7(2.025,-0.5) 8(2.025,0) 9(2.025,0.5) 10(2.025,1)
  silkscreen extent -2.15,-1.6 0.9,1.8, body extent -2.48,-1.55 2.48,1.55, height 1.1
"tu tantalum smd7343" [mm]
  rect 4x3.2 smd: 1(-3.7,0) 2(3.7,0)
  silkscreen extent -6.23,-2.31 5.85,2.31, body extent -3.75,-2.33 3.85,2.27, height 3.99

## Part data
C1 C3 C4 C5 C6 C7 C8 C9 C12 C13 C14 C15 C17 C18 C19 C21 C22 C23 C24 C25 C26 C27 C29 C30 C33 C34 C35 C37 C39: library part CM, "0603"
C2 C10: library part "Tu tantalum 100uF 25V SMD7343", "TAJD107K020RNJ", Chung_Loai=Dán, Don_Vi=Con, Ma_Hang=MH002347, So_Chan=2, Ten_Linh_Kien="Tụ tantalum 107E-100uF 25V SMD7343"
C11: library part "Tu tantalum 100uF 25V SMD7343", "TAJD477K006RNJ", Chung_Loai=Dán, Don_Vi=Con, Ma_Hang=MH002347, So_Chan=2, Ten_Linh_Kien="Tụ tantalum 107E-100uF 25V SMD7343"
C28: "WR-PHD 2.54 mm Dual Socket Header", Manufacturer="W¨¹rth Elektronik eiSos GmbH", partNo=61301221821, ComponentLink1 Description=Manufacturer, ComponentLink1URL=http://www.we-online.com, ComponentLink2 Description=Datasheet, ComponentLink2URL=http://katalog.we-online.de/em/datasheet/6130xx21821.pdf, Created by="Karrer Zheng", Created Date="29 March 2013", NoPins=12
D1 D2: library part "Diode SMD", "DIODE SCHOTTKY 40V 5A SMA", Code - JEDEC=DO-214-AB, Published=8-Jun-2000, Publisher="Altium Limited", Revision="July-2002: Re-released for DXP Platform."
DIO1 DIO2 DIO3 DIO4 DIO5 DIO6 DIO7 DIO8 DIO9 DIO10 DIO11 DIO12 DIO13 DIO14 DIO15 DIO16 DIO17 DIO18 DIO19 DIO20 DIO21 DIO22 DIO23 DIO24 DIO25 DIO26 DIO27 DIO28 DIO29 DIO30 DIO31 DIO32: "Default Diode", Code - JEDEC=DO-214-AB, Published=8-Jun-2000, Publisher="Altium Limited", Revision="July-2002: Re-released for DXP Platform."
IC1: library part TPS259470, "P/N: TPS259470LRPWR"
IC2: library part PCA9536
IC3: library part ADUM1250
IC4: library part LM358, "8SOIC"
L1: library part INDUCTOR, "SRP7050TA-150M"
LD1 LD2 LD3 LD4 LD5 LD6 LD7 LD8 LD9 LD10 LD11 LD12 LD13 LD14 LD15 LD16 LD17 LD18 LD19 LD20 LD21 LD22 LD23 LD24 LD25 LD26 LD27 LD28 LD29 LD30 LD31 LD32: library part LD
LED1: library part "LED SMD"
Q1: library part FET-N
Q2 Q3 Q4 Q5 Q6 Q7 Q8 Q9 Q10 Q20 Q21 Q22 Q23 Q24 Q25 Q26 Q27 Q28 Q38 Q39 Q40 Q41 Q42 Q43 Q44 Q45 Q46 Q57 Q58 Q59 Q60 Q61: library part FET-P
Q11 Q12 Q13 Q14 Q15 Q16 Q17 Q18 Q19 Q29 Q30 Q31 Q32 Q33 Q34 Q35 Q36 Q37 Q47 Q48 Q49 Q50 Q51 Q52 Q53 Q54 Q55 Q63 Q64 Q65 Q66 Q67: library part 2SC1815, "SOT23-3"
R1 R2 R3 R4 R5 R6 R8 R9 R10 R11 R12 R13 R14 R15 R16 R17 R18 R19 R20 R21 R22 R23 R24 R25 R26 R27 R28 R29 R30 R31 R32 R33 R34 R35 R36 R37 R38 R39 R40 R41 R42 R43 R44 R45 R46 R47 R48 R49 R50 R51 R52 R53 R54 R55 R56 R57 R58 R59 R60 R61 R62 R63 R64 R65 R66 R67 R68 R69 R70 R71 R72 R73 R74 R75 R76 R77 R78 R79 R80 R81 R82 R83 R84 R85 R86 R87 R88 R89 R90 R91 R92 R93 R94 R95 R96 R97 R98 R99 R100 R101 R102 R103 R104 R105 R106 R107 R108 R109 R110 R111 R112 R113 R114 R115 R116 R117 R118 R119 R120 R121 R122 R123 R124 R125 R126 R127 R128 R129 R130 R131 R132 R133 R134 R135 R136 R137 R138 R139 R140 R141 R142 R143 R144 R145 R146: library part Res-SMD, "0603", Manufacturer="Generic Components", Class=Passive, Published=08/06/2000, Publisher="Altium Hobart Technology Centre"
R7: library part Res-SMD, "ERA-3AEB3241V", Manufacturer="Generic Components", Class=Passive, Published=08/06/2000, Publisher="Altium Hobart Technology Centre"
TVS1: library part S2315, "TVS DIODE 12VWM 19VC SOT23, P/N:  S2312"
TVS2 TVS3: library part S2303, "TVS DIODE 5VWM 10.8VC SOT23, P/N:   / S2305"
U1: library part TPS543X, "8SOP"
U2: library part MCP47CVB22
U3: library part ADS1015
U4 U5: library part MCP23017

## Free pads (board coordinates)
  round 1.524 smd far side: ""(2.85,82.721) ""(4.66,12)
  round 1.524 smd: ""(2.85,82.721) ""(4.66,12)

## Via types
v1: diameter 0.4, hole 0.3, Top Layer to Bottom Layer, tented both sides, 727 vias
v2: diameter 0.35, hole 0.2, Top Layer to Bottom Layer, tented both sides, 253 vias
v3: diameter 0.4, hole 0.2, Top Layer to Bottom Layer, tented both sides, 1 vias

## Nets (pads, with @x,y where several pads share a name; then routed paths per layer and width w, separated by ;. In a path a pad name is that pad's centre, name@x,y a point inside that pad or via, vN(x,y) a via of type N, cw(c..) or ccw(c..) an arc to the next point about the centre after c; other vN are vias at no path point)
+5: C8.1 C9.1 C11.1 C17.2 C22.2 C24.2 C25.2 C29.2 C33.2 IC2.8 IC3.8 IC4.8 L1.2 LED1.1 R5.2 R10.2 R11.2 R12.2 R13.2 U2.1 U2.2 U2.3 U3.8 U4.9 U5.9 U5.15 | length 219.3
  Top Layer w0.4: 44.65,3.51 44.812,3.672 LED1.1@44.812,4.821
  Top Layer w0.6: L1.2@27.88,11.988 27.88,12.258 29.155,13.533 29.155,13.985 30.749,15.579 R5.2@32.98,15.579
  Top Layer w0.8: C11.1@26.88,5.54 28.03,4.39 28.86,4.39 29.99,3.26 36.64,3.26 36.89,3.51 37.48,3.51 ; C9.1@37.6,4.77 37.6,3.63 37.48,3.51 ; C8.1@41.126,4.77 41.126,3.544 41.16,3.51 ; 46.91,3.51 44.65,3.51 41.16,3.51 ; 37.48,3.51 41.16,3.51
  Layer 2 w0.6: v1(40.75,23) 40.75,14.56 39.5,13.31 23.09,13.31 22.33,12.55 v1(22.33,11.09) 22.33,6.55 23.44,5.44 v1(47.23,5.44) ; v1(76.796,10.15) 76.796,6.326 75.305,4.835 v1(47.835,4.835) ; v1(47.23,5.44) v1(47.835,4.835) ; v1(47.23,5.44) v1(47.23,4.835) v1(47.835,4.835) ; v1(47.23,5.44) v1(47.835,5.44) v1(47.835,4.835)
  Bottom Layer w0.3: C22.2@70.82,8.063 70.842,8.041 70.842,7.338 71.03,7.15 U3.8@72.745,7.15 U3.8@73.32,7.15
  Bottom Layer w0.35: R13.2@11.64,14.456 11.64,13.66 12.15,13.15 18.88,13.15 ; U4.9@21.418,17.545 19.455,17.545 18.88,16.97 18.88,13.15 ; C24.2@21.706,11.74 21.7,11.746 21.7,13.15 ; R10.2@40.75,15.484 40.6,15.484 38.973,17.11 37.37,17.11 36.3,16.04 31.51,16.04 28.62,13.15 21.7,13.15 ; U5.9@68.618,19.458 74.16,19.458 ; C25.2@76.796,11.73 76.796,12.604 76.38,13.02 74.68,13.02 74.16,13.54 74.16,19.458 ; R12.2@78.41,22.647 78.355,22.702 75.824,22.702 U5.15@75.818,22.708 v1(74.16,22.708) 74.16,19.458 ; 18.88,13.15 21.7,13.15
  Bottom Layer w0.4: IC3.8@46.867,21.577 IC3.8@46.905,21.615
  Bottom Layer w0.5: R11.2@40.95,22.146 40.9,22.096 R11.2@40.75,22.096 v1(40.75,23) 46.593,23 46.886,22.707 46.886,21.634 IC3.8@46.905,21.615 ; C22.2@70.82,8.063 70.82,9.69 71.28,10.15 v1(76.796,10.15) C25.2@76.796,11.73
  Bottom Layer w0.6: IC4.8@19.095,9.395 19.879,9.395 20.23,9.044 20.23,8.751 20.581,8.4 C33.2@21.55,8.4 ; C33.2@21.55,8.4 21.55,8.45 21.65,8.55 21.7,8.55 22.33,9.18 v1(22.33,11.09) 22.33,11.166 C24.2@21.75,11.746 ; C24.2@21.706,11.74 C24.2@21.735,11.711